# KiCad board M8_choc_socket.kicad_pcb
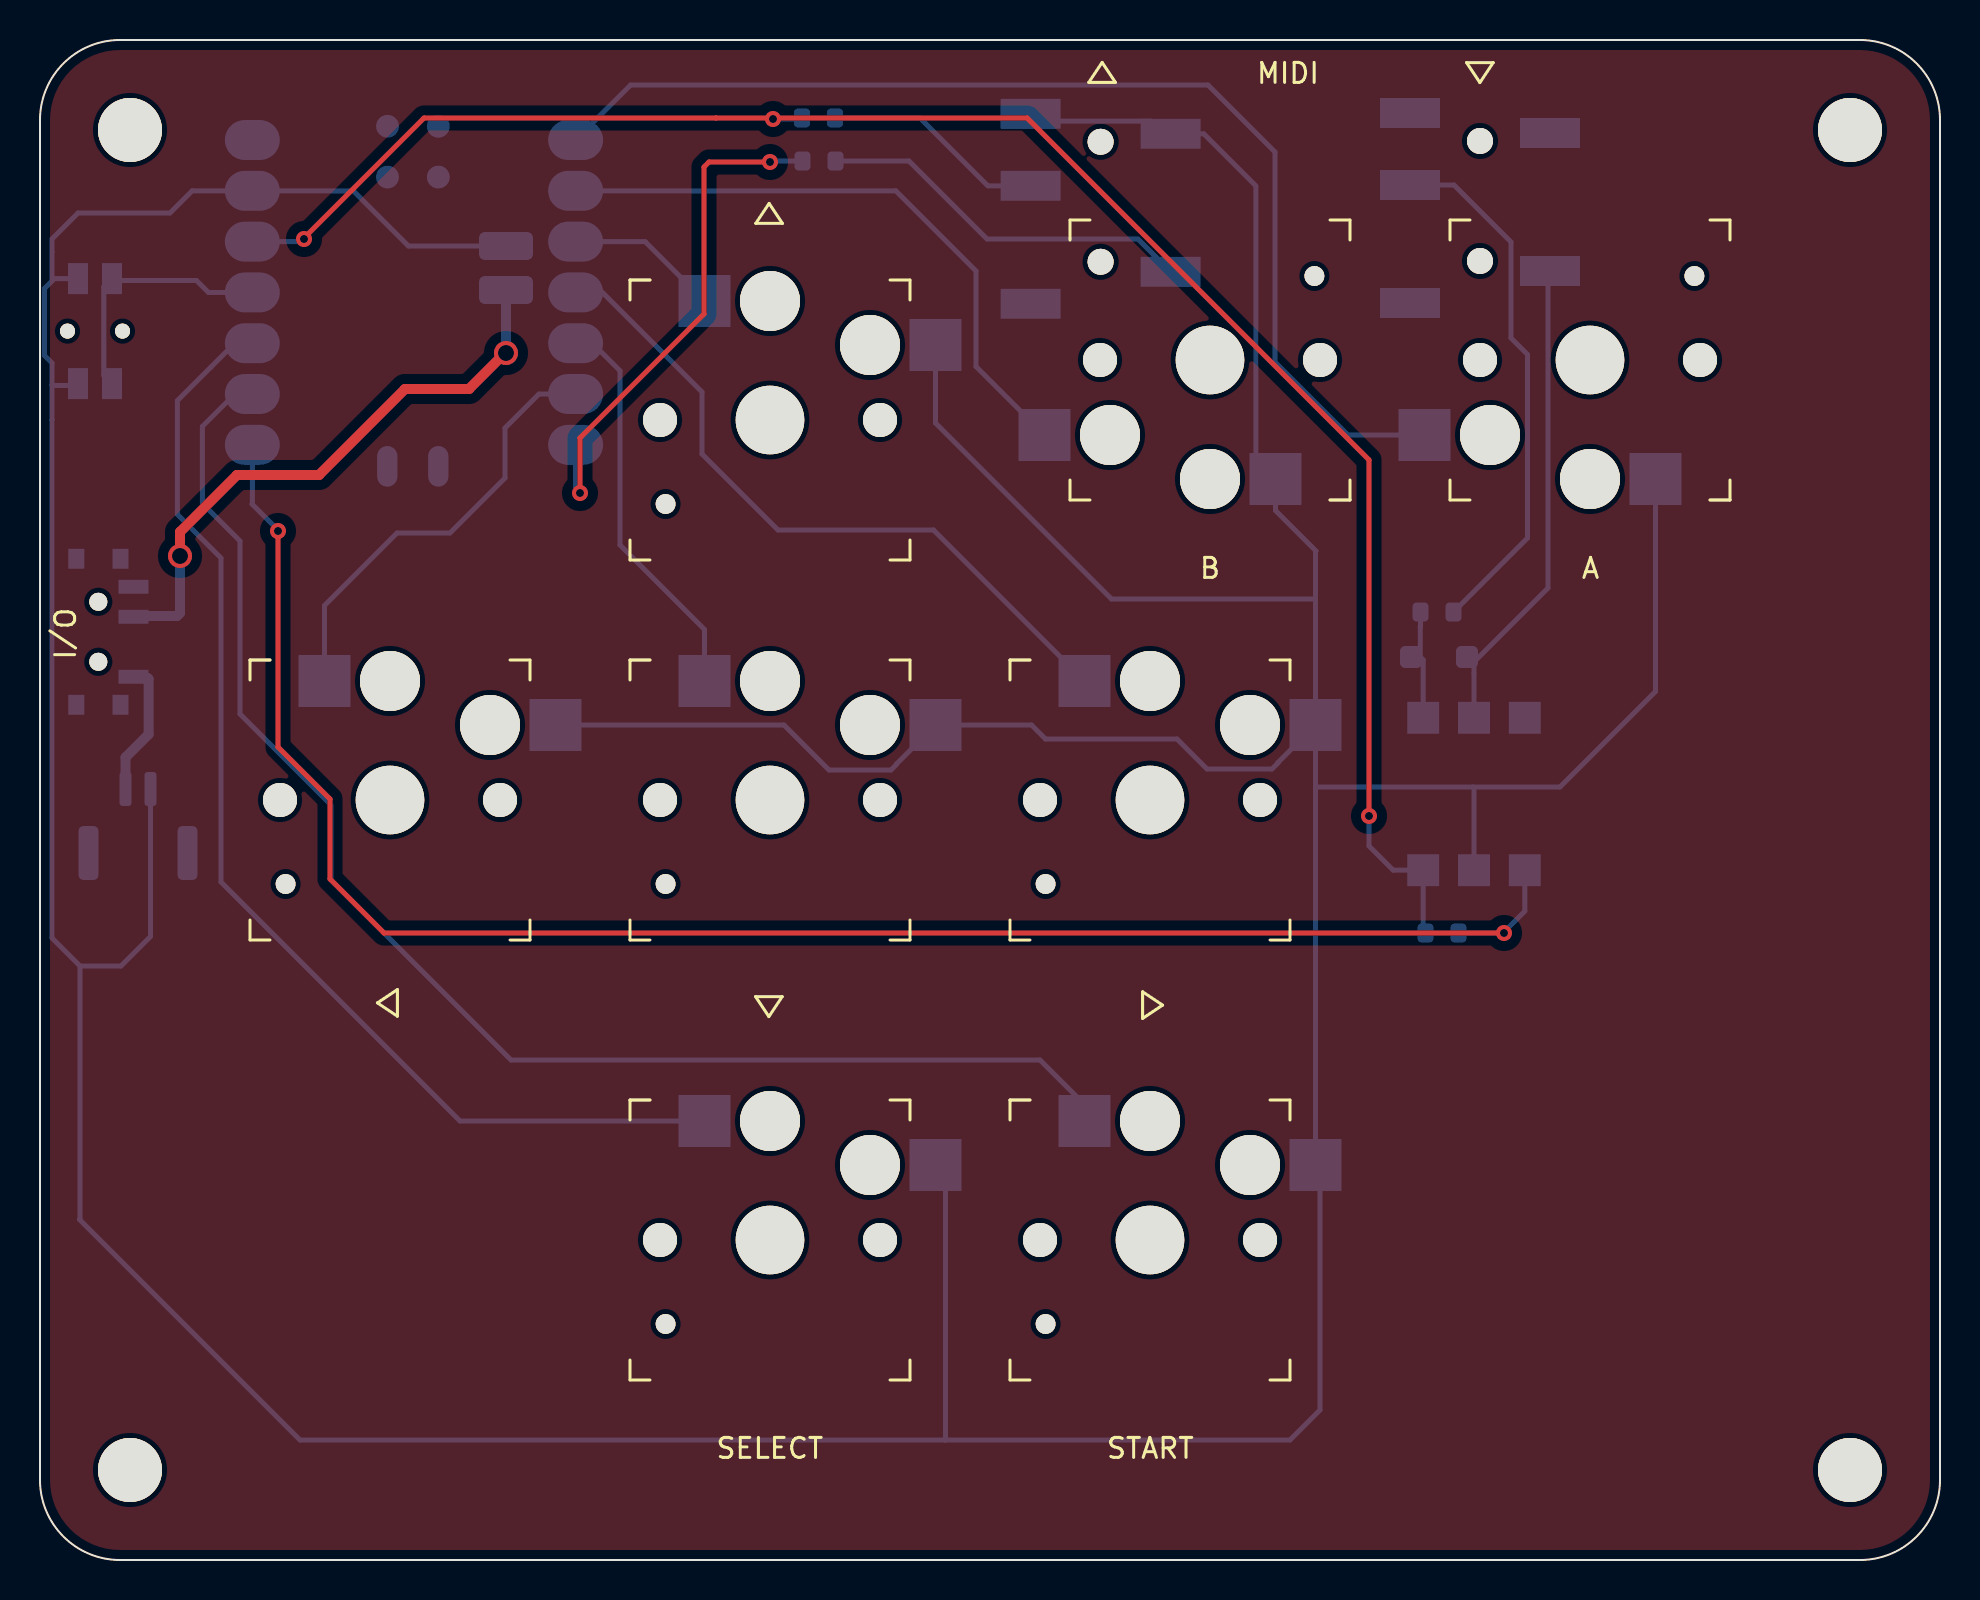
[diagram p0: board, top side]
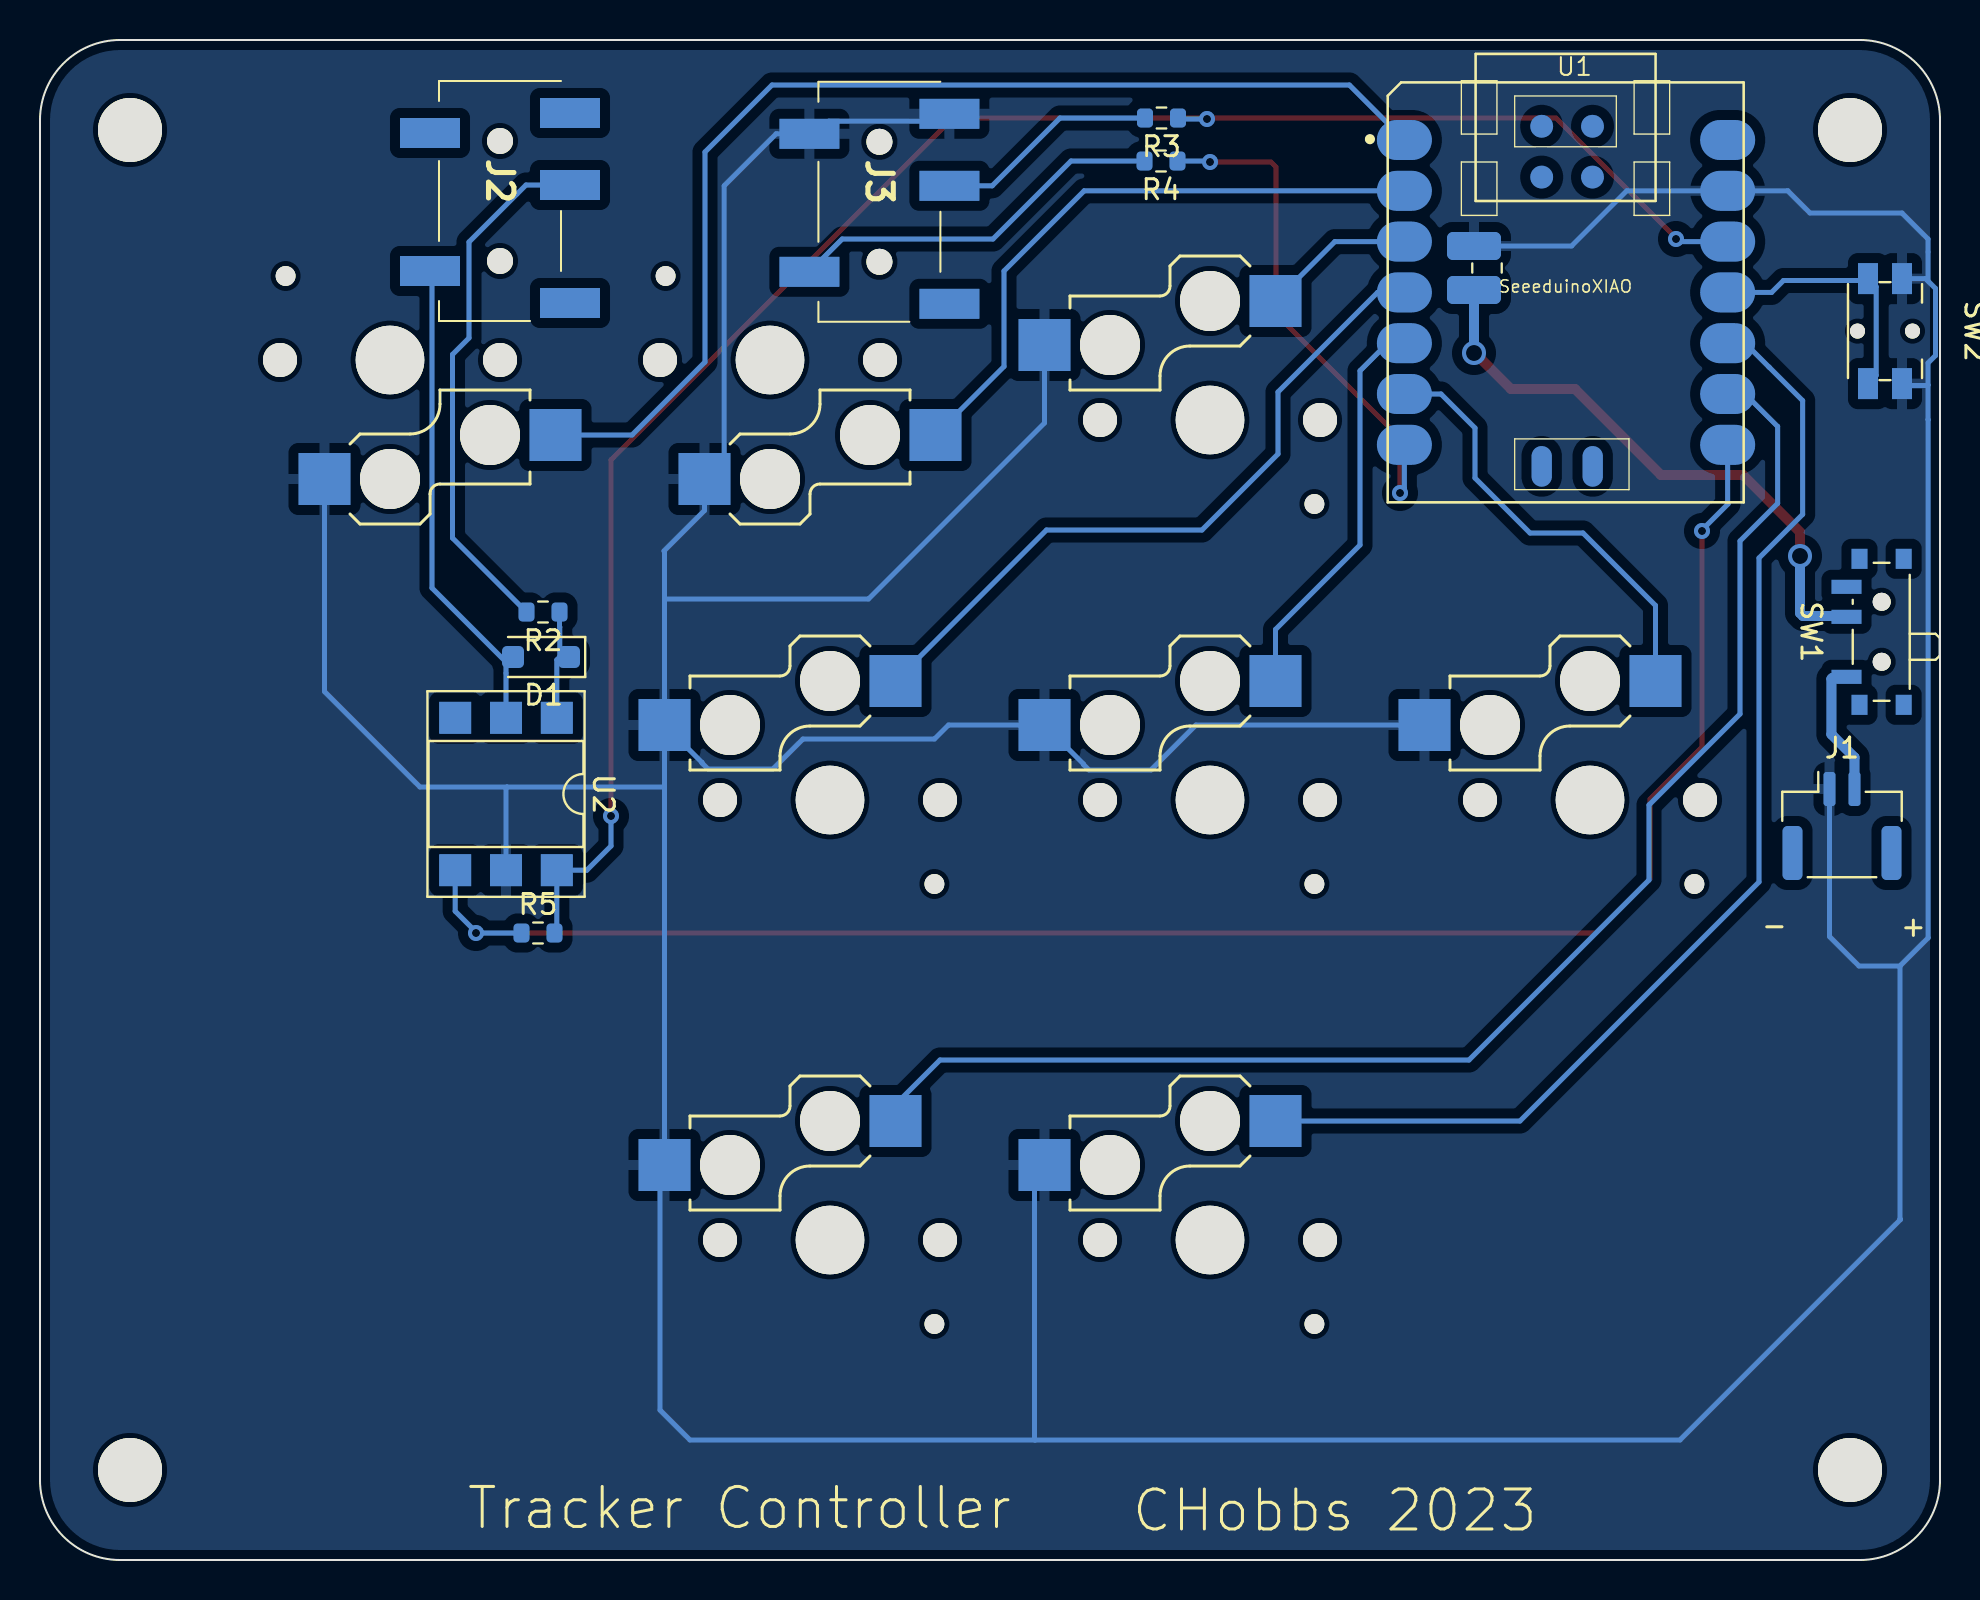
[diagram p1: board, bottom side, seen from below]

Outline 95 x 76 mm; copper layers: Top, Bottom. Coordinates in mm from the lower left corner of the outline.
Outline path: 0,72 arc(1.17,74.83) 4,76 91,76 arc(93.83,74.83) 95,72 95,4 arc(93.83,1.17) 91,0 4,0 arc(1.17,1.17) 0,4 0,72
Stack: Top 0.035mm / dielectric 1.51mm FR4 er 4.5 / Bottom 0.035mm

## Placement (name value [footprint] x y rotation side)
CH1  choc_SW_HS  [Kailh_socket_PG1350]  17.5 38 180 top
CH2  choc_SW_HS  [Kailh_socket_PG1350]  36.5 38 180 top
CH3  choc_SW_HS  [Kailh_socket_PG1350]  55.5 38 180 top
CH4  choc_SW_HS  [Kailh_socket_PG1350]  36.5 57 180 top
CH5  choc_SW_HS  [Kailh_socket_PG1350]  58.5 60 0 top
CH6  choc_SW_HS  [Kailh_socket_PG1350]  77.5 60 0 top
CH7  choc_SW_HS  [Kailh_socket_PG1350]  36.5 16 180 top
CH8  choc_SW_HS  [Kailh_socket_PG1350]  55.5 16 180 top
D1  1N4148W  [D_SOD-123F]  69.95 45.15 0 bottom
J1  Conn_01x02  [JST_GH_SM02B-GHS-TB_1x02-1MP_P1.25mm_Horizontal]  4.9 36.7 180 bottom
J2  AudioJack4  [Jack_3.5mm_PJ327A_SMD]  72 68.95 270 bottom
J3  AudioJack4  [Jack_3.5mm_PJ327A_SMD]  53.03 68.91 270 bottom
R1  R  [R_0805_2012Metric_Pad1.20x1.40mm_HandSolder]  22.65 64.6 90 bottom
R2  220  [R_0603_1608Metric]  69.85 47.4 0 bottom
R3  33  [R_0603_1608Metric]  38.92 72.1 0 bottom
R4  10  [R_0603_1608Metric]  38.95 69.95 0 bottom
R5  470  [R_0603_1608Metric]  70.1 31.35 180 bottom
REF**  -  [MountingHole_3.2mm_M3]  4.5 71.5 0 top
REF**#2  -  [MountingHole_3.2mm_M3]  90.5 71.5 0 top
REF**#3  -  [MountingHole_3.2mm_M3]  90.5 4.5 0 top
REF**#4  -  [MountingHole_3.2mm_M3]  4.5 4.5 0 top
SW1  SW_SPDT  [SW_SPDT_PCM12]  3.25 46.41 90 bottom
SW2  SW_Push  [Panasonic_EVQPUL_EVQPUC]  2.75 61.44 270 bottom
U1  SeeeduinoXIAO  [Seeeduino XIAO-MOUDLE14P-2.54-21X17.8MM]  27.61 52.88 180 bottom
U2  H11L1  [DIP-6_W7.62mm_SMDSocket_SmallPads]  71.7 38.3 270 bottom

## Library data of the parts
CH1-CH8 = -: Description: Push button switch, normally open, two pins, 45° tilted
D1 = -: Description: 75V 0.15A Fast Switching Diode, SOD-123; Sim.Device: D; Sim.Pins: 1=K 2=A
J1 = -: Description: Generic connector, single row, 01x02, script generated (kicad-library-utils/schlib/autogen/connector/)
J2 J3 = -: Description: Audio Jack, 4 Poles (Stereo / TRRS), Switched T1 Pole (Normalling)
R1 = -: Description: Resistor
R2-R5 = -: Description: Resistor, US symbol
SW1 = -: Description: Switch, single pole double throw
SW2 = -: Description: Push button switch, generic, two pins
U2 = -: Description: Schmitt Trigger Output Optocoupler, High Speed, DIP-6, 1.6mA turn on threshold

## Footprints (pads in the part's own frame, mm; a bottom-side part is the same pattern mirrored in y, then rotated)
D_SOD-123F
  rrect 1.1x1.1 smd: 1(-1.4,0) 2(1.4,0)
DIP-6_W7.62mm_SMDSocket_SmallPads
  rect 1.6x1.6 smd: 1(-3.81,2.54) 2(-3.81,0) 3(-3.81,-2.54) 4(3.81,-2.54) 5(3.81,0) 6(3.81,2.54)
Jack_3.5mm_PJ327A_SMD
  round 1.3 hole 1.3 unplated: (-2,0) (4,0)
  rect 1.5x3 smd: R1(0.2,3.5) R2(-2.4,-3.5) S(-3.4,3.5) T(4.5,-3.5) TN(6.1,3.5)
JST_GH_SM02B-GHS-TB_1x02-1MP_P1.25mm_Horizontal
  rrect 1x2.7 smd: (-2.475,-1.35) (2.475,-1.35)
  rrect 0.6x1.7 smd: 1(-0.625,1.85) 2(0.625,1.85)
Kailh_socket_PG1350
  round 1.702 hole 1.702 unplated: (-5.5,0) (5.5,0)
  round 3 hole 3 unplated: (-5,-3.75) (0,-5.95)
  round 3.429 hole 3.429 unplated: (0,0)
  round 0.991 hole 0.991 unplated: (5.22,4.2)
  rect 2.6x2.6 smd far side: 1(3.275,-5.95) 2(-8.275,-3.75)
MountingHole_3.2mm_M3
  round 3.2 hole 3.2 unplated: (0,0)
Panasonic_EVQPUL_EVQPUC
  round 0.75 hole 0.75 unplated: (0,-1.375) (0,1.375)
  rect 1.55x1 smd: 1(-2.625,0.85) 1(2.625,0.85) 2(-2.625,-0.85) 2(2.625,-0.85)
R_0603_1608Metric
  rrect 0.8x0.95 smd: 1(-0.825,0) 2(0.825,0)
R_0805_2012Metric_Pad1.20x1.40mm_HandSolder
  rrect 1.4x2.7 smd: 1(-1.1,0.65) 2(1.1,0.65)
Seeeduino XIAO-MOUDLE14P-2.54-21X17.8MM
  oval 2.748x1.999 smd: 1(0.833,18.118) 2(0.833,15.578) 3(0.833,13.038) 4(0.833,10.498) 5(0.833,7.958) 6(0.833,5.418) 7(0.833,2.878) 8(16.998,2.878) 9(16.998,5.418) 10(16.998,7.958) 11(16.998,10.498) 12(16.998,13.038) 13(16.998,15.578) 14(16.998,18.118)
  oval 1.016x2.032 smd: 15(7.7,1.8) 16(10.25,1.8)
  round 1.143 smd: 17(7.699,18.804) 18(10.239,18.804) 19(7.699,16.264) 20(10.239,16.264)
SW_SPDT_PCM12
  rect 1x0.8 smd: (-3.65,-1.43) (-3.65,0.78) (3.65,-1.43) (3.65,0.78)
  round 0.9 hole 0.9 unplated: (-1.5,-0.33) (1.5,-0.33)
  rect 0.7x1.5 smd: 1(-2.25,1.43) 2(0.75,1.43) 3(2.25,1.43)

## Nets
+3.3V: R3.1 R5.2 U1.12 U2.6
GND: CH1.2 CH2.2 CH3.2 CH4.2 CH5.1 CH6.1 CH7.2 CH8.2 J1.1 J3.R2 J3.S R1.2 SW2.1 U1.13 U2.5
VCC: J1.2 SW1.1
Net-(D1-A): D1.2 J2.T U2.2
Net-(D1-K): D1.1 R2.1 U2.1
Net-(J2-PadR1): J2.R1 R2.2
Net-(J3-PadR1): J3.R1 R3.2
Net-(J3-PadT): J3.T R4.2
Net-(SW1-B): R1.1 SW1.2
Net-(U1-PA02_A0_D0): CH6.2 U1.1
Net-(U1-PA4_A1_D1): CH5.2 U1.2
Net-(U1-PA5_A9_D9_MISO): CH7.1 U1.10
Net-(U1-PA6_A10_D10_MOSI): SW2.2 U1.11
Net-(U1-PA7_A8_D8_SCK): CH8.1 U1.9
Net-(U1-PA8_A4_D4_SDA): CH2.1 U1.5
Net-(U1-PA9_A5_D5_SCL): CH1.1 U1.6
Net-(U1-PA10_A2_D2): CH4.1 U1.3
Net-(U1-PA11_A3_D3): CH3.1 U1.4
Net-(U1-PB08_A6_D6_TX): R4.1 U1.7
Net-(U1-PB09_A7_D7_RX): R5.1 U1.8 U2.4

Pads without a net: J2 R2 S TN; J3 TN; SW1 3; U1 14 15 16 17 18 19 20; U2 3

## Via types
v1: diameter 0.8, hole 0.4, Top to Bottom, 7 vias
v2: diameter 1.2, hole 0.8, Top to Bottom, 2 vias

## Routing (per net, layer and track width the routed paths; a pad name or vN(x,y) marks a point on that pad's centre or on a via; arc(x,y) is an arc through that point)
+3.3V: length 92.7
  Top w0.25: 13.2,66.1 v1(13.2,66.05) 13.15,66.05 13.2,66.1 ; 13.2,66.1 19.2,72.1 36.6,72.1 v1(36.65,72.05) 36.7,72.1 49.35,72.1 66.45,55 v1(66.45,37.2)
  Bottom w0.25: R3.1 38.05,72.05 v1(36.65,72.05) ; v1(13.2,66.05) 13.07,65.92 U1.12 ; 69.16,31.41 U2.6 67.66,34.49 66.45,35.7 v1(66.45,37.2)
GND: length 347.5
  Bottom w0.25: SW2.1 1.81,58.72 0.62,58.72 0.6,58.75 ; 22.65,65.6 23.8,65.6 ; 63.78,48.05 CH3.2 ; 63.78,48.05 53.57,48.05 44.78,56.85 CH4.2 ; 63.78,48.05 63.78,50.42 63.8,50.45 61.78,52.47 CH5.1 60.79,55.03 60.79,68.71 58.19,71.31 56.19,71.31 55.56,71.94 49.56,71.94 49.55,71.95 ; CH3.2 63.78,38.65 ; CH3.2 61.9,39.88 61.9,39.85 61.6,39.55 58.35,39.55 56.85,41.05 50.28,41.05 49.57,41.75 CH2.2 42.83,39.8 42.83,39.78 42.55,39.5 39.45,39.5 37.2,41.75 CH1.2 ; 2,29.7 4.05,29.7 5.53,31.18 J1.1 ; 2,29.7 2,17.05 1.97,17.03 13,6 45.25,6 ; 2,29.7 0.59,31.1 0.59,57.02 0.6,57.03 0.6,58.75 ; 45.25,6 45.28,6.03 45.28,19.18 ; 45.25,6 62.5,6 64,7.5 64,19.28 63.78,19.5 ; 71.65,38.65 63.78,38.65 ; 71.65,38.65 76,38.65 80.78,43.42 CH6.1 ; 71.65,38.65 71.7,38.6 U2.5 ; 63.78,38.65 CH8.2 ; 0.6,58.75 0.6,59.85 0.22,60.22 0.22,63.58 0.6,63.95 ; SW2.1 0.72,64.07 0.6,63.95 ; 0.6,63.95 0.6,66.05 1.9,67.35 6.5,67.35 7.61,68.46 U1.13 15.66,68.46 18.42,65.7 R1.2
VCC: length 6.8
  Bottom w0.25: 4.66,44.1 5.06,44.1
  Bottom w0.5: 5.06,44.1 5.38,44.1 5.43,44.05 5.43,41.28 4.28,40.13 J1.2
Net-(D1-A): length 24.4
  Bottom w0.25: J2.T 75.4,64.35 75.4,48.6 71.7,44.9 ; U2.2 71.7,44.9 ; 71.7,44.9 71.45,45.15 D1.2
Net-(D1-K): length 5.4
  Bottom w0.25: R2.1 69.03,46.66 69.01,46.65 69.01,45.15 69.16,45 U2.1
Net-(J2-PadR1): length 26.8
  Bottom w0.25: 68.5,68.35 68.9,68.75 70.7,68.75 73.55,65.9 73.55,61.1 74.38,60.28 74.38,51.1 70.68,47.4
Net-(J3-PadR1): length 11.4
  Bottom w0.25: R3.2 44,72.1 47.39,68.71 49.19,68.71 49.55,68.35
Net-(J3-PadT): length 19.4
  Bottom w0.25: 56.55,64.05 56.55,64.39 54.89,66.05 47.35,66.05 43.45,69.95 R4.2
Net-(SW1-B): length 29.6
  Top w0.5: v2(7,50.2) 7,51.4 9.85,54.25 13.95,54.25 18.25,58.55 21.45,58.55 23.25,60.35
  Bottom w0.25: 4.66,47.1 5.06,47.1
  Bottom w0.5: v2(7,50.2) 7,47.35 6.85,47.2 5.16,47.2 5.06,47.1 ; v2(23.3,60.35) R1.1
Net-(U1-PA02_A0_D0): length 57
  Bottom w0.25: U1.1 29.53,73.75 58.4,73.75 61.75,70.4 61.75,59.9 65.4,56.25 CH6.2
Net-(U1-PA4_A1_D1): length 31.3
  Bottom w0.25: U1.2 42.79,68.46 46.8,64.45 46.8,59.67 CH5.2
Net-(U1-PA5_A9_D9_MISO): length 59
  Bottom w0.25: CH7.1 21,21.95 9.05,33.9 9.05,50.1 6.87,52.28 6.87,57.97 8.55,59.65 8.55,59.65 9.74,60.84 U1.10
Net-(U1-PA6_A10_D10_MOSI): length 12.9
  Bottom w0.25: SW2.2 3.19,59.23 3.19,63.66 SW2.2 3.69,63.97 7.83,63.97 8.42,63.38 U1.11
Net-(U1-PA7_A8_D8_SCK): length 71.5
  Bottom w0.25: U1.9 9.74,58.3 8.12,56.68 8.12,52.83 10,50.95 10,42.3 14.55,37.75 14.55,34 23.55,25 50,25 52.72,22.28
Net-(U1-PA8_A4_D4_SDA): length 20.1
  Bottom w0.25: U1.5 27.62,60.84 29,59.46 29,50.75 33.22,46.53 CH2.1
Net-(U1-PA9_A5_D5_SCL): length 22.2
  Bottom w0.25: U1.6 24.95,58.3 23.25,56.6 23.25,54.1 20.5,51.35 17.85,51.35 14.22,47.72 CH1.1
Net-(U1-PA10_A2_D2): length 7.7
  Bottom w0.25: U1.3 30.26,65.92 CH4.1
Net-(U1-PA11_A3_D3): length 35.3
  Bottom w0.25: CH3.1 44.67,51.5 36.9,51.5 33.1,55.3 33.1,58.4 28.12,63.38 U1.4
Net-(U1-PB08_A6_D6_TX): length 26.5
  Top w0.25: v1(36.5,69.9) 33.45,69.9 33.2,69.65 33.2,62.3 27,56.1 v1(27,53.35)
  Bottom w0.25: R4.1 36.6,69.95 ; 26.95,53.45 27.05,53.35 v1(27,53.35) 27,53.4 26.78,53.62 U1.7
Net-(U1-PB09_A7_D7_RX): length 88.8
  Top w0.25: v1(11.9,51.45) 11.9,40.65 14.5,38.05 14.5,34.05 17.2,31.35 v1(73.2,31.35)
  Bottom w0.25: 71.1,31.35 73.15,31.35 74.24,32.44 U2.4 ; U1.8 10.62,52.82 10.6,52.8 11.95,51.45

## Copper pours and planes (outline as drawn; the poured copper is in the pictures)
GND on Top: 4.22,75.9 0,75.93 0.02,-0.07 3.47,-0.1 91.47,-0.1 94.97,-0.05 95.05,75.91 91.22,75.9
GND on Bottom: 0.02,76 0.05,0.01 3.5,0 91.5,0 95.01,0.04 94.98,76.03 91.25,76

## Text on the board
B.Silkscreen: + | - | CHobbs 2023 | Tracker Controller
F.Silkscreen: O/I | SELECT | START | B | MIDI | A | ∆
